# KiCad board IO-SDR_Rev_1.0.kicad_pcb (continued)
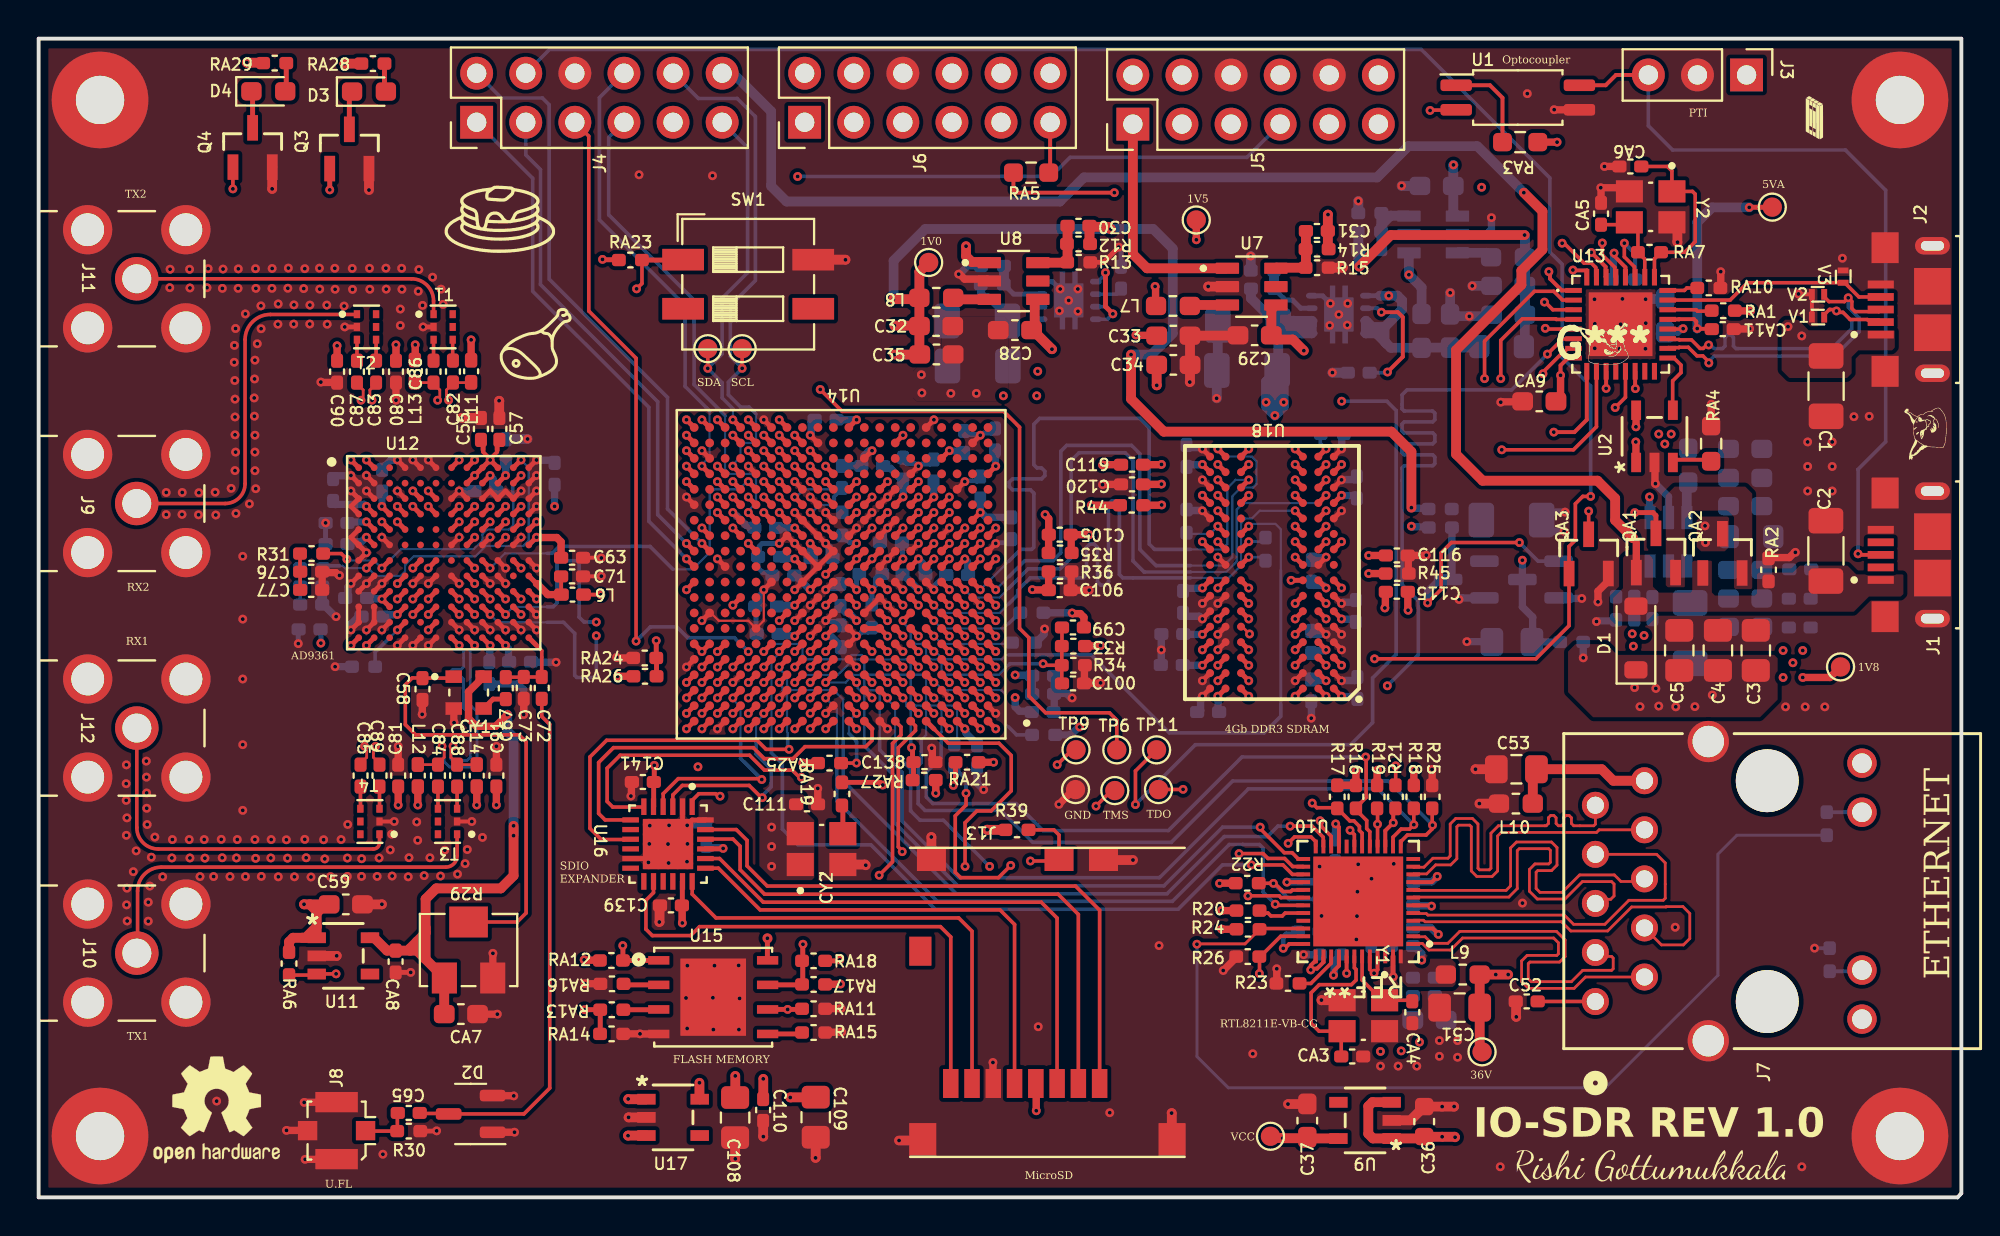
[diagram p0: board, top side]
## Routing (per net, layer and track width the routed paths; a pad name or vN(x,y) marks a point on that pad's centre or on a via; arc(x,y) is an arc through that point) (continued)
/XC7Z010/DDR-DQ0: length 30.8
  Top.Cu w0.254: v1(65,29.14) U18.E3 ; U14.C3 v1(47.91,25.85)
  In5_Sig2.Cu w0.113: v1(47.91,25.85) 47.91,25.77 47.51,25.37 47.51,23.79 48.23,23.08 63.39,23.08 66.11,25.79 66.11,28.41 66.43,28.74 66.76,28.74 67,28.98 67,30.11 66.76,30.34 66.42,30.34 65.27,29.2 65.06,29.2 v1(65,29.14)
/XC7Z010/DDR-DQ1: length 30.9
  Top.Cu w0.254: U14.B3 v1(47.91,25.05) ; U18.F7 v1(62.6,29.94)
  In5_Sig2.Cu w0.113: v1(62.6,29.94) 62.2,29.94 61.97,29.71 61.97,27.27 61.89,27.19 61.59,27.19 61.41,27.37 61.41,27.76 61.23,27.94 59.81,27.94 59.61,27.74 59.61,27.11 59.53,27.03 59.29,27.03 59.16,27.16 59.16,28.17 59.03,28.3 58.86,28.3 58.73,28.17 58.73,27.15 58.6,27.02 58.43,27.02 58.3,27.15 58.3,27.73 58.17,27.86 58,27.86 57.87,27.73 57.87,27.15 57.74,27.02 57.57,27.02 57.44,27.15 57.44,28.09 57.31,28.22 57.14,28.22 57.01,28.09 57.01,27.15 56.88,27.02 56.71,27.02 56.58,27.15 56.58,28.09 56.45,28.22 56.27,28.22 56.14,28.09 56.14,27.16 56.02,27.03 55.91,27.03 55.26,27.67 54.1,27.67 53.99,27.56 53.99,26.96 53.81,26.78 51.26,26.78 51.07,26.96 51.07,27.42 50.97,27.52 50.21,27.52 49.95,27.26 49.95,26.53 49.68,26.25 48.51,26.25 48.31,26.05 48.31,25.69 48.2,25.58 48.2,25.46 48.07,25.34 48.07,25.31 47.91,25.14 v1(47.91,25.05)
/XC7Z010/DDR-DQ2: length 29.4
  Top.Cu w0.254: U14.A2 v1(48.71,24.25) ; U18.F2 v1(66.6,29.94)
  In5_Sig2.Cu w0.113: v1(48.71,24.25) 48.76,24.2 48.76,23.61 48.99,23.39 49.43,23.39 49.56,23.52 49.56,23.56 49.69,23.69 49.86,23.69 49.99,23.56 49.99,23.5 50.12,23.37 50.3,23.37 50.43,23.5 50.43,23.83 50.55,23.96 50.73,23.96 50.86,23.83 50.86,23.5 50.99,23.37 51.16,23.37 51.29,23.5 51.29,23.83 51.42,23.96 51.59,23.96 51.72,23.83 51.72,23.5 51.85,23.37 52.02,23.37 52.15,23.5 52.15,23.83 52.28,23.96 52.45,23.96 52.58,23.83 52.58,23.52 52.71,23.39 63.19,23.39 65.88,26.07 65.88,26.66 65.77,26.77 65.51,26.77 65.4,26.88 65.4,27.02 65.51,27.13 65.77,27.13 65.88,27.24 65.88,27.39 65.77,27.5 65.51,27.5 65.4,27.61 65.4,27.76 65.51,27.87 65.77,27.87 65.88,27.98 65.88,28.12 65.77,28.23 65.51,28.23 65.4,28.35 65.4,28.49 65.51,28.6 65.77,28.6 65.88,28.71 65.88,29.22 v1(66.6,29.94)
/XC7Z010/DDR-DQ3: length 29.9
  Top.Cu w0.254: v1(61,29.94) U18.F8 ; U14.A4 v1(47.11,24.25)
  In5_Sig2.Cu w0.113: v1(61,29.94) 60.92,29.94 60.52,30.34 59.81,30.34 59.45,30.69 59.45,31.2 59.29,31.37 54.98,31.37 54.88,31.26 54.88,29.75 54.76,29.63 54.2,29.63 54.04,29.78 54.04,30.85 53.36,31.53 52.8,31.53 51.86,30.59 51.86,30.44 52.34,29.96 53,29.96 53.43,29.53 53.43,29.07 53.21,28.84 51.69,28.84 51.56,28.98 51.56,29.83 51.43,29.96 51.15,29.96 50.89,29.71 50.89,29.12 50.62,28.84 50.11,28.84 49.92,28.65 48.55,28.65 48.31,28.41 48.31,26.49 48.07,26.25 47.85,26.25 47.85,26.25 47.75,26.25 47.51,26.01 47.51,25.69 47.27,25.45 46.95,25.45 46.71,25.22 46.71,25.12 46.71,25.11 46.71,24.32 46.77,24.25 v1(47.11,24.25)
/XC7Z010/DDR-DQ4: length 30.4
  Top.Cu w0.254: v1(64.79,31.94) U18.H3 ; U14.D3 v1(47.91,26.65)
  In5_Sig2.Cu w0.113: v1(47.91,26.65) 47.9,26.66 47.59,26.66 47.51,26.74 47.51,28.42 47.75,28.65 48.07,28.65 48.31,28.89 48.31,29.21 48.55,29.45 50.18,29.45 52.64,31.91 54.55,31.91 54.8,31.66 59.7,31.66 59.8,31.55 59.8,31.21 59.87,31.14 60.52,31.14 60.6,31.22 60.6,31.7 60.83,31.94 62.9,31.94 63.47,32.51 67.9,32.51 67.96,32.44 67.96,32.09 67.81,31.94 v1(64.79,31.94)
/XC7Z010/DDR-DQ5: length 29.6
  Top.Cu w0.254: v1(61,31.54) U18.H8 ; U14.D1 v1(49.51,26.65)
  In5_Sig2.Cu w0.113: v1(49.51,26.65) 49.51,26.66 49.18,26.66 49.11,26.72 49.11,27.78 49.18,27.85 49.72,27.85 50.37,28.5 52.32,28.5 52.42,28.39 52.42,27.5 52.52,27.39 53.17,27.39 53.27,27.5 53.27,28.39 53.37,28.5 54.19,28.5 54.3,28.6 54.3,29.2 54.4,29.3 55.13,29.3 55.24,29.4 55.24,30.97 55.34,31.08 55.8,31.08 55.92,30.95 55.92,30.69 56.05,30.56 56.23,30.56 56.36,30.69 56.36,30.95 56.49,31.08 56.66,31.08 56.79,30.95 56.79,30.69 56.92,30.56 57.09,30.56 57.22,30.69 57.22,30.95 57.35,31.08 57.52,31.08 57.65,30.95 57.65,30.69 57.78,30.56 57.95,30.56 58.08,30.69 58.08,30.95 58.21,31.08 59.05,31.08 59.16,30.97 59.16,29.96 59.58,29.54 60.56,29.54 60.56,29.54 61.16,29.54 62.07,30.45 62.07,30.68 62,30.75 61.57,30.75 61.16,30.34 60.84,30.34 60.6,30.58 60.6,30.91 60.83,31.14 62.08,31.14 62.15,31.21 62.15,31.62 62.08,31.69 61.24,31.69 61.09,31.54 v1(61,31.54)
/XC7Z010/DDR-DQ6: length 30.3
  Top.Cu w0.254: U18.G2 v1(66.6,30.74) ; U14.C1 v1(49.51,25.85)
  In5_Sig2.Cu w0.113: v1(49.51,25.85) 49.56,25.9 49.79,25.9 50.29,26.4 54.2,26.4 54.32,26.53 54.32,27.24 54.43,27.34 55.11,27.34 55.72,26.73 59.3,26.73 59.61,26.43 59.61,25.74 59.8,25.54 61.31,25.54 61.51,25.74 61.51,26.79 61.58,26.86 62.06,26.86 62.12,26.79 62.12,25.74 62.33,25.54 62.76,25.54 63.39,26.17 63.39,28.51 63.16,28.74 62.32,28.74 62.2,28.87 62.2,29.42 62.33,29.55 62.98,29.55 63.19,29.76 63.19,30.42 63.22,30.45 63.22,31.11 63.54,31.43 65.91,31.43 v1(66.6,30.74)
/XC7Z010/DDR-DQ7: length 29.6
  Top.Cu w0.254: U18.H7 v1(62.6,31.54) ; U14.E1 v1(49.51,27.45)
  In5_Sig2.Cu w0.113: v1(49.51,27.45) 49.6,27.45 49.77,27.62 49.9,27.62 50.49,28.21 51.17,28.21 51.4,27.98 51.4,27.19 51.53,27.07 53.41,27.07 53.59,27.24 53.59,27.7 53.89,28 55.36,28 55.47,28.11 55.47,28.89 55.59,29.02 55.94,29.02 56.07,29.15 56.07,30.14 56.19,30.27 56.37,30.27 56.5,30.14 56.5,28.64 56.63,28.51 56.8,28.51 56.93,28.64 56.93,30.14 57.06,30.27 57.23,30.27 57.36,30.14 57.36,28.87 57.49,28.74 57.66,28.74 57.79,28.87 57.79,30.14 57.92,30.27 58.09,30.27 58.22,30.14 58.22,28.95 58.35,28.82 58.52,28.82 58.65,28.95 58.65,29.53 58.78,29.66 58.95,29.66 59.08,29.53 59.08,29.15 59.21,29.02 59.38,29.02 59.66,28.74 61.54,28.74 61.66,28.87 61.66,29.72 62.28,30.34 62.76,30.34 63,30.58 63,31.47 62.93,31.54 62.6,31.54 v1(62.6,31.54)
/XC7Z010/DDR-DQ8: length 27.4
  Top.Cu w0.254: U18.D7 v1(62.6,28.34) ; U14.E2 v1(48.71,27.45)
  In2_Sig1.Cu w0.113: v1(62.6,28.34) 63.63,28.34 64.03,28.74 65.16,28.74 65.4,28.51 65.4,28.18 65.16,27.94 64.27,27.94 64.15,27.83 64.15,25.87 ; 59.2,24.3 58.69,23.79 52.29,23.79 51.66,24.42 51.66,26.78 50.59,27.85 49.11,27.85 v1(48.71,27.45) ; 59.2,24.3 59.33,24.43 62.71,24.43 64.15,25.87
/XC7Z010/DDR-DQ9: length 28.1
  Top.Cu w0.254: U14.E3 v1(47.91,27.45) ; v1(65,27.54) U18.C3
  In2_Sig1.Cu w0.113: v1(65,27.54) 64.48,27.54 64.41,27.47 64.41,25.51 63.04,24.14 59.64,24.14 58.93,23.43 51.48,23.43 51.28,23.63 51.28,23.79 51.15,23.92 50.36,23.92 50.23,24.05 50.23,24.22 50.36,24.35 51.24,24.35 51.37,24.48 51.37,24.65 51.24,24.78 50.36,24.78 50.23,24.91 50.23,25.08 50.36,25.21 51.15,25.21 51.28,25.34 51.28,26.35 51.15,26.48 50.34,26.48 49.76,27.05 48.39,27.05 47.99,27.45 v1(47.91,27.45)
/XC7Z010/DDR-DQ10: length 28.3
  Top.Cu w0.254: v1(61,27.54) U18.C8 ; U14.G3 v1(47.91,29.05)
  In2_Sig1.Cu w0.113: v1(47.91,29.05) 47.91,29.13 48.31,29.53 48.31,30.01 48.55,30.25 49.67,30.25 49.95,30.53 49.95,31.56 50.06,31.66 50.79,31.66 50.87,31.58 50.87,31.1 50.97,31 51.83,31 51.96,31.13 51.96,31.47 52.07,31.57 53.37,31.57 53.99,30.95 54.55,30.95 54.55,30.95 54.68,30.95 54.84,30.78 54.84,30.52 55.01,30.35 55.23,30.35 55.4,30.52 55.4,30.92 55.57,31.09 55.79,31.09 55.96,30.92 55.96,30.52 56.13,30.35 56.35,30.35 56.52,30.52 56.52,30.92 56.69,31.09 56.91,31.09 57.08,30.92 57.08,30.52 57.24,30.35 57.47,30.35 57.63,30.52 57.63,30.78 57.8,30.95 58.82,30.95 59.68,30.09 59.68,29.78 59.92,29.54 61.17,29.54 61.69,30.06 62.05,30.06 62.2,29.91 62.2,29.15 61.79,28.74 60.73,28.74 60.6,28.62 60.6,28.08 60.73,27.94 61.6,27.94 61.66,27.88 61.66,27.31 61.6,27.24 61.3,27.24 v1(61,27.54)
/XC7Z010/DDR-DQ11: length 27.6
  Top.Cu w0.254: U14.H3 v1(47.91,29.85) ; U18.C2 v1(66.6,27.54)
  In2_Sig1.Cu w0.113: v1(47.91,29.85) 47.83,29.85 47.43,30.25 46.95,30.25 46.71,30.49 46.71,31.95 47.41,32.65 55.8,32.65 56.36,32.09 63.2,32.09 64.15,31.14 65.18,31.14 66.08,30.24 66.08,28.05 v1(66.6,27.54)
/XC7Z010/DDR-DQ12: length 28
  Top.Cu w0.254: U18.A7 v1(62.6,25.94) ; U14.J3 v1(47.91,30.65)
  In2_Sig1.Cu w0.113: v1(62.6,25.94) 63.26,25.94 63.54,26.23 63.54,27.7 63.3,27.94 62.11,27.94 61.92,28.13 61.92,28.53 62.13,28.74 63.57,28.74 64.13,29.3 64.13,29.83 63.87,30.09 63.57,30.09 63.42,29.93 63.42,29.64 63.35,29.58 63.06,29.58 63,29.64 63,30.2 62.86,30.34 59.91,30.34 58.87,31.38 55.88,31.38 55.26,31.99 48.48,31.99 48.31,31.82 48.31,31.13 47.91,30.74 v1(47.91,30.65)
/XC7Z010/DDR-DQ13: length 27.8
  Top.Cu w0.254: U18.A2 v1(66.6,25.94) ; U14.H2 v1(48.71,29.85)
  In2_Sig1.Cu w0.113: v1(48.71,29.85) 48.71,29.76 48.53,29.58 48.53,29.44 48.31,29.22 48.31,28.09 48.08,27.85 47.74,27.85 47.51,27.62 47.51,27.29 47.75,27.05 48.07,27.05 48.31,26.81 48.31,26.49 48.55,26.25 48.88,26.25 49.11,26.01 49.11,23.97 49.98,23.1 59.25,23.1 60,23.85 63.66,23.85 65.74,25.94 v1(66.6,25.94)
/XC7Z010/DDR-DQ14: length 28.1
  Top.Cu w0.254: v1(61,26.74) U18.B8 ; U14.H1 v1(49.51,29.85)
  In2_Sig1.Cu w0.113: v1(49.51,29.85) 49.56,29.9 50,29.9 50.44,30.34 52.32,30.34 52.95,29.71 53.24,29.71 53.41,29.54 53.41,29.04 53.58,28.87 53.8,28.87 53.97,29.04 53.97,30.49 54.14,30.66 54.36,30.66 54.53,30.49 54.53,29.21 54.69,29.04 54.92,29.04 55.09,29.21 55.09,29.9 55.25,30.06 55.48,30.06 55.64,29.9 55.64,29.14 55.81,28.97 56.03,28.97 56.2,29.14 56.2,29.9 56.37,30.06 56.59,30.06 56.76,29.9 56.76,29.14 56.93,28.97 57.15,28.97 57.32,29.14 57.32,29.9 57.48,30.06 57.71,30.06 57.88,29.9 57.88,29.04 58.04,28.87 58.27,28.87 58.43,29.04 58.43,29.54 58.6,29.71 59.15,29.71 59.48,29.38 59.48,27.9 59.37,27.8 58.08,27.8 57.93,27.65 57.93,27.34 58.13,27.14 60.6,27.14 v1(61,26.74)
/XC7Z010/DDR-DQ15: length 28.4
  Top.Cu w0.254: U14.J1 v1(49.51,30.65) ; v1(65,25.94) U18.A3
  In2_Sig1.Cu w0.113: v1(65,25.94) 65.06,25.94 65.06,26 65.65,26.59 65.65,29.1 65.21,29.54 64.83,29.54 63.24,31.14 59.88,31.14 59.3,31.71 56.1,31.71 55.52,32.3 47.97,32.3 47.51,31.83 47.51,30.49 47.75,30.25 48.08,30.25 48.31,30.49 48.31,30.82 48.55,31.05 49.03,31.05 49.43,30.65 v1(49.51,30.65)
/XC7Z010/DDR-LDM: length 31.7
  Top.Cu w0.142: U18.E7 62.26,29.54 v1(62.64,29.16)
  Top.Cu w0.254: U14.A1 v1(49.51,24.25)
  In5_Sig2.Cu w0.113: v1(49.51,24.25) 53.17,24.25 53.59,23.84 58.91,23.84 59.08,24.01 59.08,24.37 59.24,24.54 59.47,24.54 59.63,24.37 59.63,23.84 59.8,23.68 60.02,23.68 60.19,23.84 60.19,24.37 60.36,24.54 60.58,24.54 60.75,24.37 60.75,23.84 60.92,23.68 61.14,23.68 61.31,23.84 61.31,24.37 61.48,24.54 61.7,24.54 61.87,24.37 61.87,24.01 62.03,23.84 62.88,23.84 64.33,25.29 64.33,29.32 64.55,29.54 65.3,29.54 65.55,29.8 65.55,31 65.39,31.16 63.67,31.16 63.45,30.93 63.45,30.22 63.41,30.19 63.41,29.47 63.09,29.15 62.65,29.15 v1(62.64,29.16)
/XC7Z010/DDR-LDQS_N: length 30.8
  Top.Cu w0.254: U14.B2 v1(48.71,25.05) ; v1(65,30.74) U18.G3
  In5_Sig2.Cu w0.113: v1(48.71,25.05) 49.11,25.45 49.68,25.45 50.08,25.05 50.41,25.05 50.53,25.16 50.53,25.29 50.64,25.41 50.8,25.41 50.92,25.29 50.92,25.16 51.04,25.05 51.2,25.05 51.32,25.16 51.32,25.5 51.44,25.62 51.6,25.62 51.71,25.5 51.71,25.16 51.83,25.05 52.15,25.05 52.26,25.16 54.29,25.16 54.45,25.31 54.45,25.81 54.81,26.17 55.3,26.17 55.66,25.81 55.66,24.81 55.82,24.65 56.03,24.65 56.19,24.81 56.19,26.07 56.55,26.43 57.04,26.43 57.4,26.07 57.4,24.81 57.56,24.65 57.77,24.65 57.92,24.81 57.92,25.95 58.28,26.31 58.78,26.31 59.14,25.95 59.14,25.31 59.3,25.16 62.94,25.16 63.66,25.87 63.66,29.84 64.33,30.51 64.76,30.51 64.98,30.74 v1(65,30.74)
/XC7Z010/DDR-LDQS_P: length 30.8
  Top.Cu w0.254: v1(65,29.94) U18.F3 ; U14.C2 v1(48.71,25.85)
  In5_Sig2.Cu w0.113: v1(48.71,25.85) 48.71,25.76 48.43,25.48 48.43,25.33 48.31,25.22 48.31,24.89 48.55,24.65 50.09,24.65 50.09,24.65 50.14,24.7 52.29,24.7 52.4,24.81 54.44,24.81 54.8,25.17 54.8,25.66 54.95,25.82 55.16,25.82 55.32,25.66 55.32,24.66 55.68,24.3 56.17,24.3 56.53,24.66 56.53,25.93 56.69,26.08 56.9,26.08 57.06,25.93 57.06,24.66 57.42,24.3 57.91,24.3 58.27,24.66 58.27,25.8 58.43,25.96 58.64,25.96 58.79,25.8 58.79,25.17 59.15,24.81 63.09,24.81 64,25.73 64,29.7 64.47,30.17 64.76,30.17 64.98,29.94 v1(65,29.94)
/XC7Z010/DDR-RESET: length 48.5
  Top.Cu w0.254: U18.T2 v1(66.6,38.74) ; U14.B4 v1(47.11,25.05)
  In2_Sig1.Cu w0.113: v1(47.11,25.05) 47.11,24.98 47.51,24.57 47.51,23.56 49.5,21.58 52.88,21.58 53.84,22.54 59.81,22.54 60.78,23.52 64.19,23.52 64.46,23.79 66.01,23.79 67.73,25.51 71.75,25.51 72.61,26.38 72.61,36.16 70.43,38.34 67,38.34 v1(66.6,38.74)
  Bottom.Cu w0.186: v1(66.6,38.74) 66.3,39.04 66.3,39.48 66.27,39.51
/XC7Z010/DDR-UDM: length 27.2
  Top.Cu w0.254: v1(65,28.34) U18.D3 ; U14.F1 v1(49.51,28.25)
  In2_Sig1.Cu w0.113: v1(65,28.34) 64.21,28.34 63.87,28 63.87,26.07 62.54,24.74 59.24,24.74 59.08,24.59 54.46,24.59 54.1,24.96 54.1,27.01 53.94,27.17 52.85,27.17 52.77,27.09 52.77,24.5 52.7,24.42 52.14,24.42 52.06,24.5 52.06,26.86 50.67,28.25 v1(49.51,28.25)
/XC7Z010/DDR-UDQS_N: length 27.3
  Top.Cu w0.254: U18.B7 v1(62.6,26.74) ; U14.F2 v1(48.71,28.25)
  In2_Sig1.Cu w0.113: v1(48.71,28.25) 49.11,28.65 49.69,28.65 49.93,28.89 50.99,28.89 51.71,28.18 53.59,28.18 54.59,27.18 55.81,27.18 56.09,27.46 56.09,28.21 56.24,28.36 57.03,28.36 57.16,28.22 57.16,26.48 57.08,26.39 55.51,26.39 55.22,26.11 55.22,25.3 55.51,25.02 58.32,25.02 58.61,25.3 58.61,26.14 58.69,26.22 59.21,26.22 59.3,26.14 59.3,25.39 59.67,25.02 61.68,25.02 62.02,25.36 62.02,26.7 62.24,26.92 62.36,26.92 62.53,26.74 v1(62.6,26.74)
/XC7Z010/DDR-UDQS_P: length 27.3
  Top.Cu w0.254: U18.C7 v1(62.6,27.54) ; U14.G2 v1(48.71,29.05)
  In2_Sig1.Cu w0.113: v1(62.6,27.54) 62.58,27.54 62.31,27.26 62.1,27.26 61.68,26.84 61.68,25.5 61.54,25.36 59.81,25.36 59.64,25.53 59.64,26.28 59.36,26.57 58.55,26.57 58.26,26.28 58.26,25.45 58.18,25.36 55.65,25.36 55.57,25.45 55.57,25.96 55.65,26.05 57.22,26.05 57.51,26.33 57.51,28.36 57.17,28.7 56.1,28.7 55.75,28.35 55.75,27.6 55.66,27.52 54.73,27.52 53.73,28.52 51.85,28.52 51.14,29.23 49.89,29.23 49.68,29.45 49.11,29.45 v1(48.71,29.05)
/XC7Z010/H6: length 13.8
  Top.Cu w0.186: C100.1 52.93,26.61 R34.1 ; R34.1 R33.2 52.94,28.54 C99.2 ; R34.1 52.04,27.54 v1(51.96,27.62)
  Top.Cu w0.254: v1(44.71,29.85) U14.H6
  Bottom.Cu w0.113: v1(44.71,29.85) 44.71,29.77 45.11,29.37 45.11,28.89 45.35,28.65 45.67,28.65 45.91,28.42 45.91,28.09 46.15,27.85 46.47,27.85 46.71,27.61 46.71,27.29 46.95,27.05 49.68,27.05 50.18,27.56
  Bottom.Cu w0.186: v1(51.96,27.62) 50.24,27.62 50.18,27.56
/XC7Z010/P6: length 4.5
  Top.Cu w0.254: U14.P6 v1(45.51,35.45)
  Top.Cu w0.381: 52.25,31.43 52.22,31.46 52.21,31.44 51.42,31.44 v1(51.4,31.46) ; 52.25,31.43 C106.1 ; 52.25,31.43 52.25,32.39 R36.1 ; v1(52.06,35.34) 52.06,35.32 52.25,35.14 52.25,34.3 52.25,34.3 52.25,33.37 R35.2
/XC7Z010/PS-DDR-A0: length 34.2
  Top.Cu w0.254: v1(65,36.34) U18.N3 ; U14.N2 v1(48.71,34.65)
  In5_Sig2.Cu w0.113: v1(48.71,34.65) 48.71,34.73 49.36,35.38 50.45,35.38 50.71,35.64 50.71,37.46 50.58,37.59 50.31,37.59 50.18,37.72 50.18,37.9 50.31,38.03 51.34,38.03 51.47,38.15 51.47,38.33 51.34,38.46 50.84,38.46 50.71,38.59 50.71,39.41 50.82,39.52 55.93,39.52 56.84,40.42 59.53,40.42 59.68,40.27 59.68,36.89 59.83,36.74 60.04,36.74 60.04,36.74 61.27,36.74 61.69,37.16 61.69,38.94 62.3,39.55 63.63,39.55 64.33,38.85 64.33,37.71 64.5,37.54 65.77,37.54 65.91,37.4 65.91,36.49 65.76,36.34 v1(65,36.34)
/XC7Z010/PS-DDR-A1: length 35
  Top.Cu w0.254: U18.P7 v1(62.6,37.14) ; U14.K2 v1(48.71,31.45)
  Bottom.Cu w0.113: 59.58,33.54 61.21,33.54 61.49,33.82 61.49,36.72 61.91,37.14 v1(62.6,37.14) ; v1(48.71,31.45) 50.18,32.92
  Bottom.Cu w0.186: 50.18,32.92 50.8,33.54 51.37,33.54 51.48,33.65 51.48,36.45 51.31,36.62 50.38,36.62 50.21,36.79 50.21,37.02 50.38,37.19 51.88,37.19 52.05,37.36 52.05,37.59 51.88,37.76 51.65,37.76 51.48,37.93 51.48,40.02 51.78,40.32 56.97,40.32 57.45,39.84 57.45,33.82 57.73,33.54 59.58,33.54
/XC7Z010/PS-DDR-A2: length 34.2
  Top.Cu w0.254: U14.M3 v1(47.91,33.85) ; v1(65,37.14) U18.P3
  In5_Sig2.Cu w0.113: v1(65,37.14) 64,37.14 63.93,37.21 63.93,38.77 63.56,39.14 62.25,39.14 61.91,38.8 61.91,37.06 61.61,36.76 61.61,36.27 61.28,35.94 59.7,35.94 59.19,36.45 59.19,38.95 58.91,39.23 58.34,39.23 58.18,39.06 58.18,38.72 58.01,38.55 57.79,38.55 57.62,38.72 57.62,39.97 57.45,40.13 57.23,40.13 57.06,39.97 57.06,38.13 56.89,37.96 56.67,37.96 56.5,38.13 56.5,39.06 56.34,39.23 52.32,39.23 51.91,38.82 51.91,37.46 51,36.55 51,35.52 50.53,35.05 49.35,35.05 49.11,34.82 49.11,34.35 49.02,34.25 48.4,34.25 48,33.85 v1(47.91,33.85)
/XC7Z010/PS-DDR-A3: length 34.9
  Top.Cu w0.254: U14.K3 v1(47.91,31.45) ; U18.N2 v1(66.6,36.34)
  Bottom.Cu w0.113: 50.18,31.53 49.7,31.05 48.31,31.05 v1(47.91,31.45) ; v1(66.6,36.34) 66.2,35.94 62.31,35.94 61.97,35.6 61.97,32.91 61.44,32.37 59.58,32.37
  Bottom.Cu w0.186: 59.58,32.37 57.18,32.37 56.61,32.94 56.61,38.14 56.2,38.54 53.82,38.54 53.41,38.14 53.41,33.11 52.84,32.54 51.19,32.54 50.18,31.53
/XC7Z010/PS-DDR-A4: length 35.9
  Top.Cu w0.254: U14.M4 v1(47.11,33.85) ; v1(61,37.14) U18.P8
  In5_Sig2.Cu w0.113: v1(61,37.14) 61,37.15 61.33,37.15 61.4,37.21 61.4,39.14 62.1,39.84 63.8,39.84 64.2,39.43 65.14,39.43 65.32,39.61 65.32,41.36 64.71,41.97 61.92,41.97 61.61,41.67 61.61,40.88 61.54,40.81 60.5,40.81 60.09,41.21 56.38,41.21 55.34,40.17 49.35,40.17 49.17,39.99 49.17,38.71 49.1,38.65 48.14,38.65 48.08,38.58 48.08,37.94 48.82,37.19 48.82,36.44 47.99,35.62 47.99,35.45 47.51,34.97 47.51,34.34 47.11,33.94 v1(47.11,33.85)
/XC7Z010/PS-DDR-A5: length 33.9
  Top.Cu w0.254: U18.P2 v1(66.6,37.14) ; U14.L1 v1(49.51,33.05)
  In5_Sig2.Cu w0.113: v1(66.6,37.14) 67,36.74 68.27,36.74 68.37,36.64 68.37,34.44 68.27,34.34 66.16,34.34 65.36,35.14 64.46,35.14 62.86,36.74 62.42,36.74 62.07,36.39 62.07,34.53 61.88,34.34 59.81,34.34 59.66,34.19 59.66,33.36 59.58,33.29 58.72,33.29 58.61,33.4 58.61,36.19 58.44,36.36 51.76,36.36 51.58,36.18 51.58,33.77 51.48,33.67 50.13,33.67 v1(49.51,33.05)
/XC7Z010/PS-DDR-A6: length 35.2
  Top.Cu w0.254: U14.L4 v1(47.11,33.05) ; v1(61,37.94) U18.R8
  In5_Sig2.Cu w0.113: v1(61,37.94) 60.6,38.34 60.6,39.56 60.99,39.96 61.74,39.96 61.84,40.06 61.84,40.37 61.76,40.45 60.34,40.45 59.96,40.83 56.71,40.83 55.7,39.81 49.5,39.81 49.4,39.71 49.4,39.16 49.47,39.08 49.99,39.08 50.06,39.01 50.06,38.43 49.99,38.37 48.86,38.37 48.66,38.16 48.66,37.78 49.09,37.35 49.94,37.35 50.01,37.28 50.01,36.99 49.94,36.92 49.17,36.92 49.07,36.82 49.07,36.46 49.14,36.39 50.18,36.39 50.28,36.29 50.28,36.01 50.18,35.92 48.62,35.92 48.31,35.61 48.31,34.49 48.07,34.25 47.75,34.25 47.51,34.01 47.51,33.55 47.61,33.45 48.24,33.45 48.31,33.38 48.31,32.17 48.08,31.94 47.59,31.94 47.11,32.42 v1(47.11,33.05)
/XC7Z010/PS-DDR-A7: length 35.2
  Top.Cu w0.254: U18.R2 v1(66.6,37.94) ; U14.K4 v1(47.11,31.45)
  In5_Sig2.Cu w0.113: v1(47.11,31.45) 45.91,32.65 45.91,34.82 46.15,35.05 46.48,35.05 46.71,35.29 46.71,35.62 46.95,35.85 47.28,35.85 47.62,36.2 47.62,36.46 47.47,36.61 47.47,38.44 47.51,38.49 47.51,39.43 48.99,40.91 54.58,40.91 56.41,42.74 65.12,42.74 66.08,41.77 66.08,38.45 v1(66.6,37.94)
/XC7Z010/PS-DDR-A8: length 33.3
  Top.Cu w0.254: U14.K1 v1(49.51,31.45) ; v1(61,38.74) U18.T8
  Bottom.Cu w0.113: v1(49.51,31.45) 50.18,32.12 ; v1(61,38.74) 61.08,38.74 61.48,38.34 62.76,38.34 63,38.11 63,36.92 62.82,36.74 62.2,36.74 61.75,36.29 61.75,33.14 61.31,32.7 59.58,32.7
  Bottom.Cu w0.186: 50.18,32.12 51.02,32.96 52.47,32.96 52.88,33.36 52.88,38.62 53.18,38.93 56.53,38.93 56.97,38.49 56.97,33.54 57.8,32.7 59.58,32.7
/XC7Z010/PS-DDR-A9: length 35.2
  Top.Cu w0.254: U14.J4 v1(47.11,30.65) ; v1(65,37.94) U18.R3
  In5_Sig2.Cu w0.113: v1(47.11,30.65) 47.51,31.05 47.51,31.67 46.71,32.47 46.71,34.82 46.95,35.05 47.27,35.05 47.73,35.5 47.73,35.68 48.43,36.39 48.43,37.2 48.13,37.5 47.88,37.5 47.81,37.57 47.81,39.39 48.97,40.55 54.91,40.55 55.9,41.54 59.94,41.54 60.7,42.3 64.81,42.3 65.68,41.44 65.68,38.09 65.53,37.94 v1(65,37.94)
/XC7Z010/PS-DDR-A10: length 32.9
  Top.Cu w0.254: U18.L7 v1(62.6,34.74) ; U14.F5 v1(46.31,28.25)
  Bottom.Cu w0.113: v1(46.31,28.25) 46.39,28.25 46.79,27.85 49.83,27.85 50.06,28.08 50.18,28.08 ; v1(62.6,34.74) 62.69,34.74 62.81,34.86 63.98,34.86 64.26,34.59 64.26,32.45
  Bottom.Cu w0.156: 64.26,25.51 64.26,32.45
  Bottom.Cu w0.186: 50.18,28.08 54.45,28.08 58.49,24.04 63.39,24.04 64.26,24.9 64.26,25.51
/XC7Z010/PS-DDR-A11: length 36.6
  Top.Cu w0.254: U18.R7 v1(62.6,37.94) ; U14.G4 v1(47.11,29.05)
  In2_Sig1.Cu w0.113: v1(47.11,29.05) 47.03,29.05 46.63,29.45 46.15,29.45 45.91,29.69 45.91,30.01 45.67,30.25 45.35,30.25 45.11,30.49 45.11,34.91 44.87,35.14 44.87,35.85 45.11,36.09 45.11,38.01 47.47,40.37 54.49,40.37 54.66,40.54 54.66,41.52 54.82,41.69 55.05,41.69 55.21,41.52 55.21,40.43 55.38,40.26 55.6,40.26 55.77,40.43 55.77,41.52 55.94,41.69 56.16,41.69 56.33,41.52 56.33,40.54 56.5,40.37 61.49,40.37 61.89,39.97 61.89,38.65 v1(62.6,37.94)
/XC7Z010/PS-DDR-A12: length 34.9
  Top.Cu w0.254: U18.N7 v1(62.6,36.34) ; U14.E4 v1(47.11,27.45)
  In5_Sig2.Cu w0.113: v1(62.6,36.34) 63.19,35.75 63.19,33.69 63.34,33.54 67.99,33.54 68.06,33.46 68.06,32.82 67.99,32.74 63.38,32.74 62.81,32.17 60.65,32.17 60.45,31.97 54.9,31.97 54.67,32.2 51.28,32.2 50.44,31.36 50.44,30.75 49.94,30.25 48.55,30.25 48.31,30.01 48.31,29.69 48.07,29.45 47.75,29.45 47.51,29.21 47.51,28.89 47.27,28.65 46.95,28.65 46.71,28.42 46.71,27.93 47.11,27.54 v1(47.11,27.45)
/XC7Z010/PS-DDR-A13: length 37.2
  Top.Cu w0.254: v1(65,38.74) U18.T3 ; U14.D4 v1(47.11,26.65)
  In2_Sig1.Cu w0.113: v1(65,38.74) 63.8,37.54 62.1,37.54 61.54,38.1 61.54,38.82 60.51,39.85 47.45,39.85 45.91,38.31 45.91,36.09 45.68,35.85 45.35,35.85 45.11,35.62 45.11,35.29 45.35,35.05 45.67,35.05 45.91,34.82 45.91,34.02 45.91,34.01 45.91,30.49 46.15,30.25 46.47,30.25 46.71,30.01 46.71,29.69 46.95,29.45 47.33,29.45 47.51,29.27 47.51,28.09 47.27,27.85 46.95,27.85 46.71,27.62 46.71,27.13 47.11,26.74 v1(47.11,26.65)
/XC7Z010/PS-DDR-A14: length 36.3
  Top.Cu w0.254: U14.F4 v1(47.11,28.25) ; U18.T7 v1(62.6,38.74)
  In2_Sig1.Cu w0.113: v1(62.6,38.74) 62.6,41.65 61.26,42.99 54.17,42.99 51.94,40.75 47.52,40.75 44.31,37.55 44.31,30.49 44.55,30.25 44.87,30.25 45.11,30.02 45.11,29.69 45.35,29.45 45.67,29.45 45.91,29.22 45.91,28.89 46.15,28.65 46.63,28.65 47.03,28.25 v1(47.11,28.25)
/XC7Z010/PS-DDR-BA0: length 36.3
  Top.Cu w0.254: U18.M2 v1(66.6,35.54) ; U14.L5 v1(46.31,33.05)
  In2_Sig1.Cu w0.113: v1(66.6,35.54) 67,35.14 67.79,35.14 67.94,35.29 67.94,36.33 68.4,36.79 69.82,36.79 70.12,36.49 70.12,31.43 69.83,31.14 65.59,31.14 65.25,31.48 64.45,31.48 63.48,32.45 56.41,32.45 55.9,32.96 50.36,32.96 49.88,33.45 46.71,33.45 v1(46.31,33.05)
/XC7Z010/PS-DDR-BA1: length 36.8
  Top.Cu w0.254: U14.R4 v1(47.11,36.25) ; v1(61,36.34) U18.N8
  In2_Sig1.Cu w0.113: 60.02,35.94 62.11,35.94 62.2,36.03 62.2,36.45 62.13,36.51 61.24,36.51 61.06,36.34 v1(61,36.34) ; v1(47.11,36.25) 47.11,37.38 48.56,38.83 49.07,38.83 49.32,39.08 51.53,39.08 51.69,38.91 51.69,37.64 51.86,37.47 52.08,37.47 52.25,37.64 52.25,39.03 52.42,39.19 52.64,39.19 52.81,39.03 52.81,37.64 52.98,37.47 53.2,37.47 53.37,37.64 53.37,39.03 53.53,39.19 53.76,39.19 53.93,39.03 53.93,37.84 54.09,37.67 54.32,37.67 54.48,37.84 54.48,39.03 54.65,39.19 54.87,39.19 55.04,39.03 55.04,38.56 55.21,38.39 55.43,38.39 55.6,38.56 55.6,39.03 55.77,39.19 55.99,39.19 56.16,39.03 56.16,37.64 56.33,37.47 56.55,37.47 56.72,37.64 56.72,39.03 56.88,39.19 57.11,39.19 57.27,39.03 57.27,38.54 57.44,38.37 57.66,38.37 57.83,38.54 57.83,38.91 58,39.08 58.97,39.08 59.15,38.9 59.15,36.16 59.37,35.94 60.02,35.94
/XC7Z010/PS-DDR-BA2: length 35
  Top.Cu w0.254: U14.J5 v1(46.31,30.65) ; v1(65,35.54) U18.M3
  Bottom.Cu w0.113: v1(46.31,30.65) 46.71,30.25 49.72,30.25 50.18,30.72 ; 59.58,32.07 61.56,32.07 62.2,32.7 62.2,34.91 62.44,35.14 62.76,35.14 63.16,35.54 v1(65,35.54)
  Bottom.Cu w0.186: 50.18,30.72 50.64,31.18 50.64,31.41 51.3,32.07 54.04,32.07 54.21,32.24 54.21,33.65 54.38,33.82 54.6,33.82 54.77,33.65 54.77,31.86 54.94,31.69 55.17,31.69 55.34,31.86 55.34,35.88 55.51,36.05 55.74,36.05 55.91,35.88 55.91,32.24 56.08,32.07 59.58,32.07
/XC7Z010/PS-DDR-CAS: length 36.7
  Top.Cu w0.254: U14.P5 v1(46.31,35.45) ; v1(65,33.94) U18.K3
  In2_Sig1.Cu w0.113: v1(65,33.94) 64.57,34.37 64.57,35.74 64.37,35.94 62.43,35.94 61.63,35.14 59.18,35.14 58.79,35.52 58.79,37.15 58.51,37.43 57.7,37.43 57.37,37.1 55.59,37.1 55.29,37.4 54.76,37.4 54.5,37.15 51.22,37.15 51.07,37.3 51.07,38.32 50.89,38.49 50.62,38.49 50.54,38.42 50.54,36.39 50.44,36.28 49.47,36.28 49.35,36.41 49.35,36.77 49.45,36.87 49.76,36.87 49.91,37.02 49.91,38.46 49.77,38.6 48.85,38.6 48.79,38.53 48.79,36.31 48.63,36.16 48.01,36.16 47.95,36.22 47.95,36.51 48.1,36.67 48.29,36.67 48.35,36.73 48.35,37.6 48.23,37.73 47.95,37.73 47.51,37.3 47.51,35.92 47.45,35.85 46.8,35.85 46.39,35.45 v1(46.31,35.45)
/XC7Z010/PS-DDR-CKE: length 35.3
  Top.Cu w0.254: U14.N3 v1(47.91,34.65) ; v1(60.2,33.94) U18.K9
  In2_Sig1.Cu w0.113: v1(47.91,34.65) 47.9,34.66 47.58,34.66 47.52,34.73 47.52,35.19 47.92,35.6 48.24,35.6 48.3,35.53 48.3,35.14 48.4,35.05 49,35.05 49.4,35.45 51.17,35.45 51.28,35.34 51.28,34.81 51.17,34.71 50.29,34.71 50.18,34.61 50.18,34.33 50.69,33.82 51.59,33.82 51.75,33.99 51.75,34.49 51.92,34.66 52.15,34.66 52.31,34.49 52.31,33.86 52.48,33.69 52.7,33.69 52.87,33.86 52.87,36.27 53.04,36.44 53.26,36.44 53.43,36.27 53.43,33.99 53.6,33.82 55.22,33.82 55.39,33.99 55.39,35.37 55.55,35.53 55.78,35.53 55.95,35.37 55.95,33.82 56.11,33.65 56.34,33.65 56.5,33.82 56.5,35.88 56.67,36.04 56.89,36.04 57.06,35.88 57.06,33.31 57.23,33.14 57.45,33.14 57.62,33.31 57.62,33.88 57.79,34.05 58.01,34.05 58.18,33.88 58.18,33.31 58.34,33.14 58.57,33.14 58.74,33.31 58.74,33.65 58.9,33.82 59.23,33.82 59.34,33.93 60.18,33.93 v1(60.2,33.94)